# KiCad board Oblique Palette 0.5 PCB Main.kicad_pcb (continued)
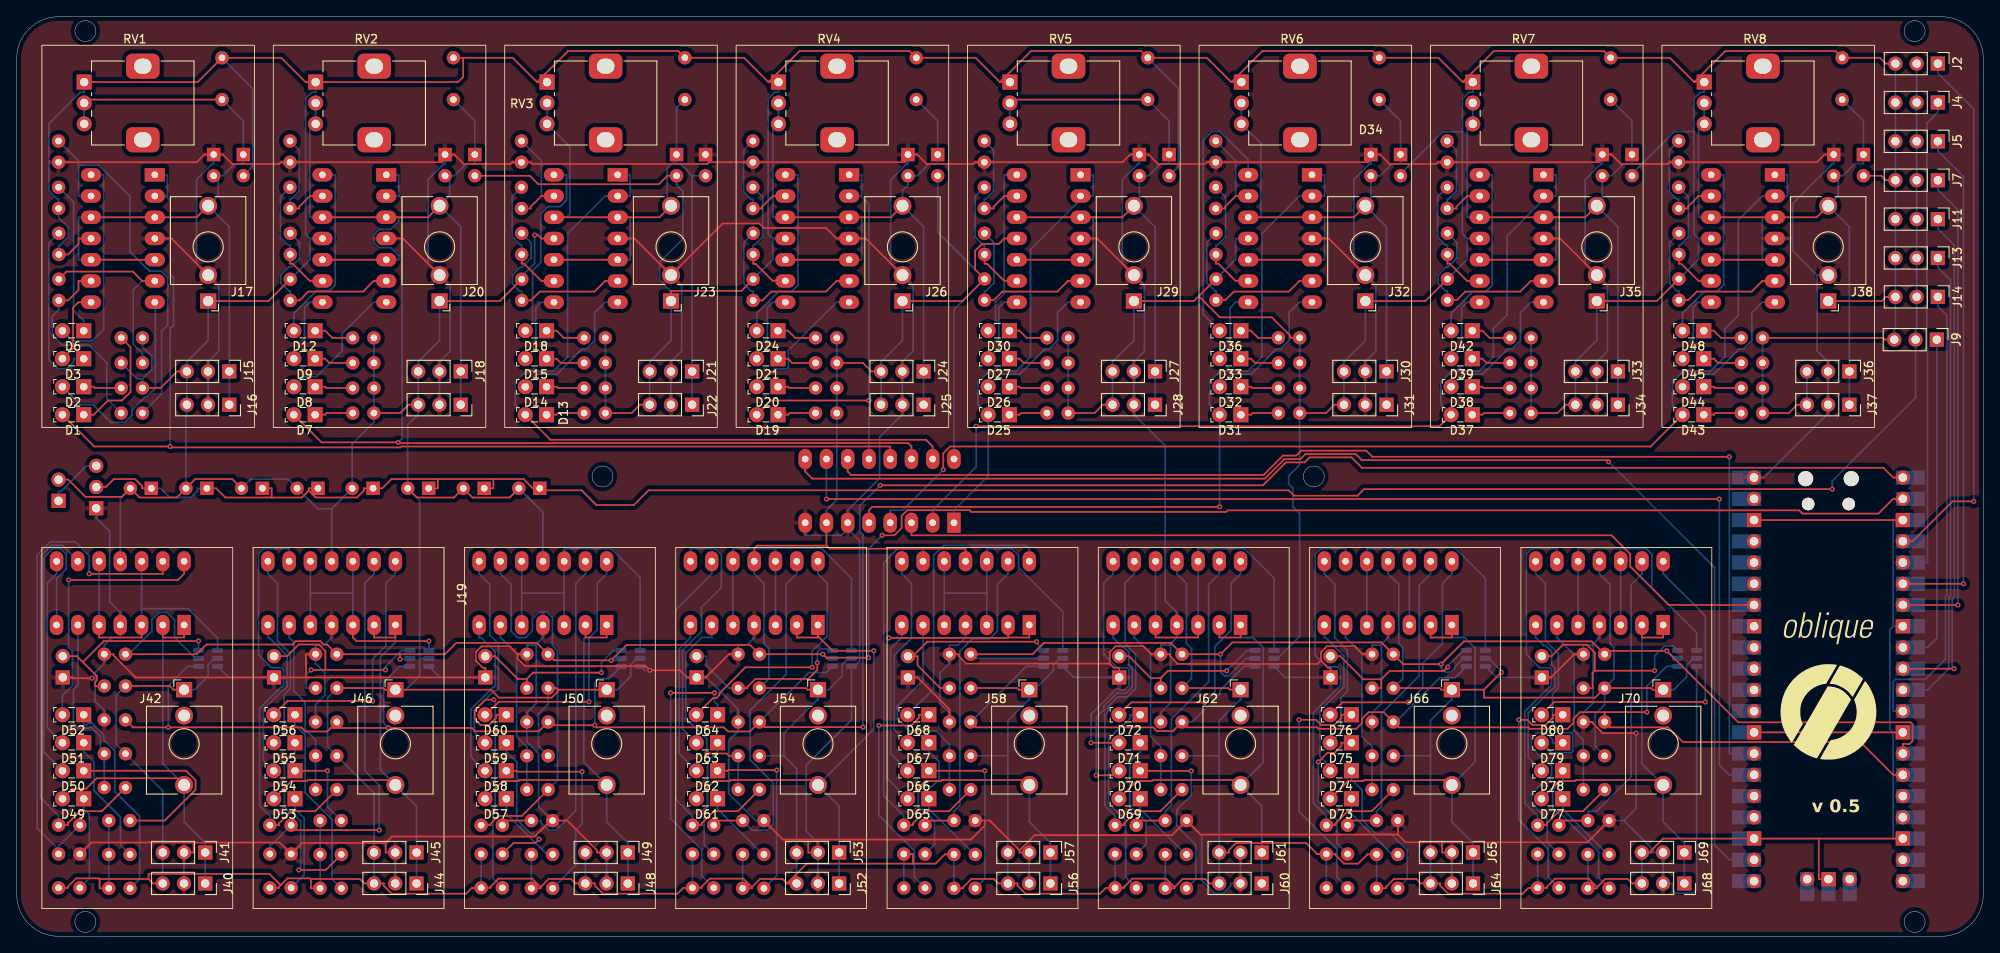
[diagram p0: board, top side]
## Routing (per net, layer and track width the routed paths; a pad name or vN(x,y) marks a point on that pad's centre or on a via; arc(x,y) is an arc through that point) (continued)
Net-(D53-A): length 54.7
  Top w0.2: U14.1 45.25,35.74 42.71,35.74 U14.2 ; J46.T 44.65,18.7 34.81,18.7 34.68,18.57 32.83,18.57 D53.2
  Bottom w0.2: J44.1 J45.1 47.77,15.58 J46.T 43.45,19.9 43.45,33.37 45.25,35.17 U14.1
Net-(D53-K): length 11.7
  Bottom w0.2: R83.1 34.33,7.33 34.33,14.17 33.25,15.25 D53.1
Net-(D54-A): length 20.2
  Bottom w0.2: D54.2 29.47,21.04 29.47,27.12 31.76,29.41 31.89,29.41 32.3,29.82 32.3,33.58 30.15,35.74 30.01,35.74 U14.7
Net-(D54-K): length 10.5
  Top w0.2: D54.1 v1(37.13,19.8)
  Bottom w0.2: v1(37.13,19.8) 37.13,15.5 R84.1
Net-(D55-A): length 23.7
  Bottom w0.2: D55.2 31.96,24.4 31.96,28.92 32.71,29.66 32.71,33.8 31.16,35.35 31.16,42.21 30.01,43.36 U14.8
Net-(D55-K): length 22.7
  Top w0.2: R85.1 36.93,7.93 v1(33.71,7.93)
  Bottom w0.2: D55.1 33.25,21.95 33.1,21.95 31.97,20.82 31.97,15.47 32.71,14.73 32.93,14.73 33.93,13.74 33.93,8.15 v1(33.71,7.93)
Net-(D56-A): length 30.3
  Top w0.2: v1(42.52,28.15) 32.36,28.15 D56.2
  Bottom w0.2: U14.14 45.25,43.36 44.12,42.23 44.12,34.75 42.52,33.15 v1(42.52,28.15)
Net-(D56-K): length 23.1
  Bottom w0.2: D56.1 33.25,25.27 34.17,24.35 34.27,24.35 34.45,24.17 34.45,17.2 37.69,13.96 37.69,6.84 R86.1
Net-(D57-A): length 54.4
  Top w0.2: U16.1 70.5,35.74 67.96,35.74 U16.2 ; D57.2 58.08,18.57 59.93,18.57 60.06,18.7 69.9,18.7 J50.T
  Bottom w0.2: U16.2 67.96,35.74 67.77,35.55 67.77,20.83 J50.T 70.5,13.7 73.03,11.17 J49.1 J48.1
Net-(D57-K): length 9.4
  Bottom w0.2: D57.1 58.5,14.65 63.36,9.79 R94.1
Net-(D58-A): length 20.3
  Bottom w0.2: D58.2 54.27,21.49 54.27,27.14 56.91,29.78 57.03,29.78 57.16,29.9 57.16,34.06 55.48,35.74 55.26,35.74 U16.7
Net-(D58-K): length 24.5
  Top w0.2: D58.1 59.7,19.8 59.82,19.68 v1(67.56,19.68)
  Bottom w0.2: R95.1 66.79,8.49 66.79,12.69 67.56,13.46 v1(67.56,19.68)
Net-(D59-A): length 24.5
  Bottom w0.2: U16.8 55.26,43.36 56.53,42.09 56.53,36.05 57.56,35.01 57.56,29.61 57.33,29.38 57.07,29.38 54.7,27 54.7,24.41 D59.2
Net-(D59-K): length 18.6
  Top w0.2: v1(62.43,11.61) 61.98,11.17 59.37,11.17 R96.1
  Bottom w0.2: v1(62.43,11.61) 61.75,12.29 61.43,12.29 59.78,13.94 59.78,20.82 58.65,21.95 58.5,21.95 D59.1
Net-(D60-A): length 30.7
  Top w0.2: v1(68.38,28.05) 57.61,28.05 56.06,26.5 D60.2
  Bottom w0.2: v1(68.38,28.05) 68.38,35.7 69.37,36.69 69.37,42.23 70.5,43.36 U16.14
Net-(D60-K): length 31.8
  Top w0.2: v1(57.01,28.3) 56,28.3 54.73,27.02 54.73,25.97 55.42,25.28 56.45,25.28 57.3,26.12 57.3,26.5 D60.1
  Bottom w0.2: R97.1 56.91,6.92 56.91,15.1 57.17,15.36 57.17,28.14 v1(57.01,28.3)
Net-(D61-A): length 60.3
  Top w0.2: D61.2 83.33,18.57 85.18,18.57 85.31,18.7 95.15,18.7 J54.T ; U18.1 95.75,35.9 ; v1(102.42,34.15) 97.49,34.15 95.75,35.9 ; U18.2 93.21,35.74 95.75,35.74 95.75,35.9
  Bottom w0.2: J52.1 J53.1 98.28,15.58 J54.T 102.42,24.77 v1(102.42,34.15)
Net-(D61-K): length 9
  Bottom w0.2: R105.1 89.17,9.79 83.75,15.21 D61.1
Net-(D62-A): length 18.8
  Bottom w0.2: U18.7 80.51,35.74 79.16,34.39 79.16,21.85 D62.2
Net-(D62-K): length 21.9
  Top w0.2: v1(90.82,19.88) 85.03,19.88 84.95,19.8 D62.1
  Bottom w0.2: R106.1 90.82,7.27 v1(90.82,19.88)
Net-(D63-A): length 30.6
  Bottom w0.2: D63.2 79.56,24.8 79.56,34.21 81.84,36.49 81.84,39.35 84.2,41.72 84.2,45.67 83.51,46.36 80.51,46.36 U18.8
Net-(D63-K): length 14.5
  Bottom w0.2: D63.1 83.75,21.95 83.6,21.95 82.55,20.9 82.55,15.55 82.15,15.15 82.15,10.98 R107.1
Net-(D64-A): length 30.2
  Top w0.2: D64.2 83.23,28.52 83.62,28.52 83.97,28.87 83.97,29.07 87.08,32.17 v1(95.05,32.17)
  Bottom w0.2: U18.14 95.75,43.36 96.85,42.26 96.85,35.92 95.05,34.11 v1(95.05,32.17)
Net-(D64-K): length 33.5
  Top w0.2: v1(83.37,29.12) v1(78.14,29.12)
  Bottom w0.2: D64.1 83.75,27.7 83.37,28.08 v1(83.37,29.12) ; R108.1 81.85,7.23 81.85,10.37 78.14,14.08 v1(78.14,29.12)
Net-(D65-A): length 68.7
  Top w0.2: D65.2 108.58,18.57 110.43,18.57 110.56,18.7 120.4,18.7 J58.T ; U20.1 121,35.74 118.46,35.74 118.46,35.74 ; U20.2 118.46,35.74 ; 118.46,35.74 118.42,35.7 v1(104.23,35.7)
  Bottom w0.2: v1(104.23,35.7) 104.03,35.5 104.03,18.88 D65.2 ; J56.1 J57.1 123.53,11.17 121,13.7 J58.T
Net-(D65-K): length 9
  Bottom w0.2: R116.1 114.46,9.79 109,15.25 D65.1
Net-(D66-A): length 18.8
  Bottom w0.2: U20.7 105.76,35.74 104.43,34.41 104.43,21.83 D66.2
Net-(D66-K): length 21.2
  Top w0.2: D66.1 v1(115.69,19.8)
  Bottom w0.2: R117.1 115.69,6.89 v1(115.69,19.8)
Net-(D67-A): length 23.7
  Bottom w0.2: U20.8 105.76,43.36 106.92,42.2 106.92,35.65 104.84,33.57 104.84,24.77 D67.2
Net-(D67-K): length 17
  Bottom w0.2: D67.1 109,21.95 109.15,21.95 110.22,20.88 110.22,18.77 109.36,17.91 108.22,17.91 107.74,17.42 107.74,15.44 108.02,15.16 108.23,15.16 109.68,13.7 109.68,10.98 R118.1
Net-(D68-A): length 34
  Bottom w0.2: U20.14 121,46.36 120.59,46.77 110.77,46.77 109.57,45.57 109.57,29.61 D68.2
Net-(D68-K): length 28.4
  Top w0.2: v1(103.03,25.22) 106.89,25.22 107.8,26.12 107.8,26.5 D68.1
  Bottom w0.2: v1(103.03,25.22) 103.03,14.47 107.26,10.24 107.26,7.07 R119.1
Net-(D69-A): length 56.3
  Top w0.2: U22.1 146.25,35.74 143.71,35.74 U22.2 ; J62.T 145.65,18.7 135.81,18.7 135.68,18.57 133.83,18.57 D69.2
  Bottom w0.2: J60.1 J61.1 148.78,15.58 J62.T 148.94,20.79 148.94,34.55 147.75,35.74 146.25,35.74 U22.1
Net-(D69-K): length 9
  Bottom w0.2: R127.1 139.69,9.79 134.25,15.23 D69.1
Net-(D70-A): length 24.7
  Top w0.2: v1(129,19.26) 131.17,19.26 D70.2
  Bottom w0.2: v1(129,19.26) 129,26.2 129.78,26.98 129.93,26.98 130,27.06 130,27.14 129.9,27.24 129.9,27.52 131.54,29.16 131.54,29.16 131.66,29.05 132.56,29.05 133.3,29.79 133.3,32.11 132.9,32.51 132.9,33.98 132.23,34.66 132.09,34.66 131.01,35.74 U22.7
Net-(D70-K): length 22.2
  Top w0.2: v1(140.35,19.77) 135.48,19.77 135.45,19.8 D70.1
  Bottom w0.2: v1(140.35,19.77) 140.35,16.84 138.65,15.14 138.65,13.18 140.89,10.94 140.89,6.84 R128.1
Net-(D71-A): length 30.1
  Top w0.2: D71.2 v1(128.38,23.15)
  Bottom w0.2: v1(128.38,23.15) 128.38,26.57 131.4,29.59 131.68,29.59 131.83,29.45 132.39,29.45 132.9,29.96 132.9,31.94 132.72,32.12 131.51,32.12 129.88,33.74 129.88,42.23 131.01,43.36 U22.8
Net-(D71-K): length 15.3
  Bottom w0.2: D71.1 134.25,21.95 134.1,21.95 133,20.85 133,15.46 133.28,15.19 133.45,15.19 134.96,13.67 134.96,11.01 R129.1
Net-(D72-A): length 29.5
  Top w0.2: v1(141.96,27.98) 133.19,27.98 D72.2
  Bottom w0.2: U22.14 146.25,43.36 145.12,42.23 145.12,36.61 143.19,34.68 143.19,29.21 v1(141.96,27.98)
Net-(D72-K): length 24.4
  Bottom w0.2: D72.1 133.05,26.5 133.05,26.08 132.27,25.3 132.16,25.3 130.48,23.62 130.48,15.93 132.52,13.89 132.52,7.06 R130.1
Net-(D73-A): length 56.4
  Top w0.2: J66.T 170.9,18.7 161.06,18.7 160.93,18.57 159.08,18.57 D73.2 ; U24.1 171.5,35.74 168.96,35.74 U24.2
  Bottom w0.2: U24.1 171.5,35.74 173.02,35.74 174.26,34.5 174.26,20.86 J66.T 171.5,13.7 174.03,11.17 J65.1 J64.1
Net-(D73-K): length 9.4
  Bottom w0.2: R138.1 164.33,9.79 159.5,14.62 D73.1
Net-(D74-A): length 20.2
  Bottom w0.2: U24.7 156.26,35.74 156.41,35.74 158.61,33.54 158.61,29.85 155.74,26.98 155.74,21.52 156.96,20.3 D74.2
Net-(D74-K): length 18.4
  Bottom w0.2: D74.1 159.5,18.6 159.65,18.6 160.78,17.47 160.78,13.91 162.42,12.27 164.19,12.27 166.17,10.29 166.17,6.87 R139.1
Net-(D75-A): length 23.7
  Bottom w0.2: D75.2 158.23,24.42 158.23,28.51 159.01,29.29 159.01,34.21 157.53,35.69 157.53,42.09 156.26,43.36 U24.8
Net-(D75-K): length 17.6
  Top w0.2: v1(155.55,20.86) 156.64,21.95 157.47,21.95 158.3,22.77 158.3,23.15 D75.1
  Bottom w0.2: v1(155.55,20.86) 155.55,16.14 157.77,13.92 157.77,11.11 R140.1
Net-(D76-A): length 29
  Top w0.2: D76.2 158.44,27.98 v1(166.28,27.98)
  Bottom w0.2: U24.14 171.5,43.36 170.37,42.23 170.37,35 168.04,32.66 168.04,29.74 v1(166.28,27.98)
Net-(D76-K): length 29.8
  Top w0.2: v1(153.23,25.9) 155.25,25.9 155.86,25.29 157.47,25.29 158.3,26.11 158.3,26.5 D76.1
  Bottom w0.2: R141.1 157.77,7.06 157.77,10.39 153.23,14.93 v1(153.23,25.9)
Net-(D77-A): length 54.3
  Top w0.2: D77.2 184.33,18.57 186.18,18.57 186.31,18.7 196.15,18.7 J70.T ; U26.2 194.21,35.74 196.75,35.74 U26.1
  Bottom w0.2: J68.1 J69.1 199.28,11.17 196.75,13.7 J70.T 194.21,20.64 U26.2
Net-(D77-K): length 9
  Bottom w0.2: D77.1 184.75,15.19 190.15,9.79 R149.1
Net-(D78-A): length 20.6
  Bottom w0.2: U26.7 181.51,35.74 182.45,34.8 182.67,34.8 183.42,34.05 183.42,32.49 183.8,32.11 183.8,29.82 183.39,29.41 183.32,29.41 180.61,26.7 180.61,21.4 D78.2
Net-(D78-K): length 17.6
  Bottom w0.2: D78.1 184.75,18.6 184.6,18.6 183.55,17.55 183.55,15.38 184.42,14.5 184.64,14.5 189.04,10.1 189.04,6.99 R150.1
Net-(D79-A): length 30.1
  Bottom w0.2: D79.2 183.41,21.95 185.78,21.95 185.95,22.12 185.95,24.17 185.78,24.35 184.67,24.35 183.53,25.49 183.53,28.98 184.23,29.68 184.23,33.81 182.67,35.36 182.67,42.19 181.51,43.36 U26.8
Net-(D79-K): length 22.1
  Bottom w0.2: R151.1 182.88,11.25 182.88,14.06 181,15.94 181,17.01 182.49,18.5 182.65,18.5 183.41,19.26 183.41,20.37 182.3,21.47 182.14,21.47 181.01,22.61 181.01,23.65 181.72,24.36 182.71,24.36 183.55,23.53 183.55,23.15 D79.1
Net-(D80-A): length 39.1
  Top w0.2: D80.2 183.74,28.03 v1(201.78,28.03)
  Bottom w0.2: v1(201.78,28.03) 201.78,38.33 196.75,43.36 U26.14
Net-(D80-K): length 28.3
  Top w0.2: v1(179.5,25.9) 180.5,25.9 181.11,25.29 182.71,25.29 183.55,26.12 183.55,26.5 D80.1
  Bottom w0.2: R152.1 183.02,7.06 183.02,10.39 179.5,13.91 v1(179.5,25.9)
Net-(J39-Pin_2): length 23.4
  Top w0.2: R66.2 9.36,29.94 9.36,30.4 9.58,30.62 9.58,31.12 7.9,32.8 ; 5.5,33.5 7.19,33.5 7.9,32.8 ; 7.9,32.8 10.42,35.32 v1(21.73,35.32)
  Bottom w0.2: U11.6 v1(21.73,35.32)
Net-(J43-Pin_2): length 25.8
  Top w0.2: 30.75,33.5 32.3,33.5 33.69,34.9 36.12,34.9 36.88,34.13 36.88,31.86 ; 36.88,31.86 v1(44.06,31.86) ; 36.88,31.86 v1(35.17,31.86)
  Bottom w0.2: 46.98,34.19 46,34.19 44.06,32.25 v1(44.06,31.86) ; v1(35.17,31.86) 34.61,31.3 34.61,29.69 R77.2
Net-(J47-Pin_2): length 20.6
  Top w0.2: 60.96,30.79 59.86,30.79 57.15,33.5 56,33.5 ; 60.96,30.79 61.71,31.54 v1(69.87,31.54) ; 60.96,30.79 R88.2
  Bottom w0.2: v1(69.87,31.54) 69.87,32.72 71.33,34.19 U15.6
Net-(J51-Pin_2): length 21.8
  Top w0.2: v1(95.67,32.72) 95.67,31.87 94.59,30.79 88.28,30.79 87.31,29.83 87.31,29.69 R99.2
  Bottom w0.2: 81.25,33.5 82.4,33.5 82.4,32.4 85.11,29.69 R99.2 ; v1(95.67,32.72) 95.67,33.96 96.08,34.38 97.29,34.38 U17.6
Net-(J55-Pin_2): length 24.1
  Top w0.2: R110.2 110.36,29.69 107.65,32.4 107.65,33.5 107.08,33.5 ; 107.08,33.5 106.5,33.5 ; 107.08,33.5 108.81,35.24 v1(121.88,35.24)
  Bottom w0.2: 122.72,34.19 121.88,35.04 v1(121.88,35.24)
Net-(J59-Pin_2): length 19.9
  Top w0.2: 136.71,30.9 135.51,30.9 132.9,33.5 131.75,33.5 ; 136.71,30.9 R121.2 ; 136.71,30.9 137.57,31.75 v1(144.59,31.75)
  Bottom w0.2: v1(144.59,31.75) 147.03,34.19 U21.6
Net-(J63-Pin_2): length 21
  Top w0.2: 163.06,30.74 164.06,31.75 170.54,31.75 v1(171,32.21) ; 163.06,30.74 163.06,29.69 R132.2 ; 163.06,30.74 160.91,30.74 158.15,33.5 157,33.5
  Bottom w0.2: v1(171,32.21) 171,32.34 172.85,34.19 173.22,34.19
Net-(J67-Pin_2): length 25.2
  Top w0.2: 188.58,31.77 188.31,31.5 188.31,29.69 R143.2 ; 188.58,31.77 188.58,33.93 187.63,34.88 184.77,34.88 183.4,33.5 182.25,33.5 ; 188.58,31.77 v1(195.73,31.77)
  Bottom w0.2: v1(195.73,31.77) 195.73,33.56 196.93,34.75 197.91,34.75 U25.6
Net-(J71-Pin_3): length 6.9
  Bottom w0.2: J71.3 8.35,56.28 5.31,53.24 5,53.24 J72.1
Net-(U3B--): length 24.5
  Top w0.2: U3.6 15,78.39 13.88,79.51 5.94,79.51 R4.1
  Bottom w0.2: R2.2 15.03,69.69 13.92,70.8 13.92,77.31 15,78.39 U3.6
Net-(U3C--): length 24.5
  Top w0.2: U3.9 7.38,78.39 7.38,77.31 6.13,76.06 R4.2
  Bottom w0.2: R6.1 10.76,64.31 10.76,68.59 8.64,70.71 5.43,70.71 4.24,71.91 4.24,74.16 5.03,74.96 R4.2
Net-(U3D--): length 46.6
  Bottom w0.2: R8.1 7.38,92.76 7.38,92.23 ; 7.38,92.23 7.38,88.55 U3.13 ; 7.38,92.23 9.81,92.23 13.52,88.52 13.52,81.9 15.85,79.57 17.27,79.57 18.03,78.82 18.03,73.11 17.31,72.38 17.31,64.87 R6.2
Net-(U4B--): length 22.6
  Top w0.2: R10.2 33.79,76.06 34.85,77.12 41.39,77.12 42.66,78.39 U4.6
  Bottom w0.2: R12.1 33.8,82.98 33.8,81.07 32.81,80.08 32.53,80.08 31.56,79.11 31.56,78.15 32.55,77.16 32.69,77.16 R10.2
Net-(U4C--): length 14.9
  Top w0.2: U4.9 35.04,78.39 32.97,80.46 32.69,80.46 R12.2
  Bottom w0.2: R12.2 32.69,82.66 32.46,82.66 31.51,83.61 31.51,88.45 R14.1
Net-(U4D--): length 13.7
  Top w0.2: R14.2 33.76,87.06 33.76,87.27 35.04,88.55 U4.13
  Bottom w0.2: R14.2 32.66,88.16 32.79,88.16 33.76,89.13 33.76,94.03 R16.1
Net-(U5B--): length 22.6
  Top w0.2: U5.6 70.31,78.39 69.04,77.12 62.5,77.12 61.44,76.06 R18.2
  Bottom w0.2: R18.2 60.34,77.16 60.11,77.16 59.23,78.04 59.23,79.09 60.23,80.08 60.42,80.08 61.46,81.12 61.46,82.98 R20.1
Net-(U5C--): length 14.9
  Top w0.2: R20.2 60.34,80.46 60.62,80.46 62.69,78.39 U5.9
  Bottom w0.2: R20.2 60.34,82.66 60.21,82.66 59.21,83.66 59.21,88.5 R22.1
Net-(U5D--): length 13.7
  Top w0.2: U5.13 62.69,88.55 61.42,87.27 61.42,87.06 R22.2
  Bottom w0.2: R24.1 62.69,92.76 62.69,88.55 U5.13
Net-(U6B--): length 21.5
  Top w0.2: R26.2 89.1,76.06 90.16,77.12 96.7,77.12 97.97,78.39 U6.6
  Bottom w0.2: R26.2 88,77.16 87.77,77.16 86.89,78.04 86.89,82.99 R28.1
Net-(U6C--): length 14.9
  Top w0.2: U6.9 90.35,78.39 88.28,80.46 88,80.46 R28.2
  Bottom w0.2: R28.2 88,82.66 88.14,82.66 89.15,83.67 89.15,88.42 R30.1
Net-(U6D--): length 13.8
  Top w0.2: R30.2 89.07,87.06 89.07,87.27 90.35,88.55 U6.13
  Bottom w0.2: R30.2 87.97,88.16 87.74,88.16 86.86,89.04 86.86,94.02 R32.1
Net-(U7B--): length 21.4
  Top w0.2: R34.2 116.76,76.09 117.79,77.12 124.36,77.12 125.63,78.39 U7.6
  Bottom w0.2: R36.1 116.78,82.98 116.78,78.18 115.79,77.19 115.66,77.19 R34.2
Net-(U7C--): length 14.9
  Top w0.2: U7.9 118.01,78.39 115.94,80.46 115.66,80.46 R36.2
  Bottom w0.2: R38.1 114.52,88.5 114.52,83.66 115.52,82.66 115.66,82.66 R36.2
Net-(U7D--): length 13.7
  Top w0.2: U7.13 118.01,88.55 116.73,87.27 116.73,87.06 R38.2
  Bottom w0.2: R40.1 116.73,94.03 116.73,89.13 115.77,88.16 115.63,88.16 R38.2
Net-(U8B--): length 21.4
  Top w0.2: U8.6 153.28,78.39 152.01,77.12 145.45,77.12 144.42,76.09 R42.2
  Bottom w0.2: R44.1 142.21,82.99 142.21,78.16 143.18,77.19 143.31,77.19 R42.2
Net-(U8C--): length 14.9
  Top w0.2: R44.2 143.31,80.46 143.59,80.46 145.66,78.39 U8.9
  Bottom w0.2: R46.1 144.46,88.42 144.46,83.67 143.45,82.66 143.31,82.66 R44.2
Net-(U8D--): length 13.7
  Top w0.2: U8.13 145.66,88.55 144.39,87.27 144.39,87.06 R46.2
  Bottom w0.2: R48.1 145.66,92.76 145.66,88.55 U8.13
Net-(U9B--): length 22.5
  Top w0.2: R50.2 172.07,76.09 173.1,77.12 179.67,77.12 180.94,78.39 U9.6
  Bottom w0.2: R50.2 170.97,77.19 170.74,77.19 169.86,78.07 169.86,79.1 170.86,80.09 171.06,80.09 172.1,81.13 172.1,82.97 R52.1
Net-(U9C--): length 14.9
  Top w0.2: R52.2 170.97,80.46 171.25,80.46 173.32,78.39 U9.9
  Bottom w0.2: R52.2 170.97,82.66 170.74,82.66 169.8,83.61 169.8,88.45 R54.1
Net-(U9D--): length 13.7
  Top w0.2: R54.2 172.04,87.06 172.04,87.27 173.32,88.55 U9.13
  Bottom w0.2: R54.2 170.94,88.16 171.08,88.16 172.05,89.13 172.05,94.03 R56.1
Net-(U10B--): length 21.5
  Top w0.2: U10.6 208.6,78.39 207.33,77.12 200.76,77.12 199.73,76.09 R58.2
  Bottom w0.2: R58.2 198.63,77.19 198.4,77.19 197.52,78.07 197.52,82.99 R60.1
Net-(U10C--): length 14.9
  Top w0.2: R60.2 198.63,80.46 198.91,80.46 200.98,78.39 202.48,78.39
  Bottom w0.2: R62.1 199.77,88.42 199.77,83.67 198.77,82.66 198.63,82.66 R60.2
Net-(U10D--): length 13.8
  Top w0.2: 202.48,88.55 200.98,88.55 199.7,87.27 199.7,87.06 R62.2
  Bottom w0.2: R62.2 198.6,88.16 198.37,88.16 197.49,89.04 197.49,94.02 R64.1
Net-(U11-VOUT): length 35.3
  Top w0.2: U12.3 14.92,35.74 9.84,35.74 U12.5
  Bottom w0.2: U12.10 U12.5 ; U11.1 24,35.67 20.48,39.19 14.92,39.19 ; U12.12 14.92,39.19 ; 14.92,39.19 U12.3
Net-(U12B--): length 22.3
  Bottom w0.2: U12.6 7.3,30.02 6.78,29.5 6.78,25.43 7.31,24.9 8.6,24.9 8.76,25.06 8.85,25.06 10,23.9 10,22.3 R68.2 R69.2
Net-(U12C--): length 48.9
  Top w0.2: R70.2 6.1,13.29 6.1,13.52 7.55,14.96 10.17,14.96 R69.1
  Bottom w0.2: R70.2 5,14.39 2.85,16.54 2.85,45.48 4.13,46.77 5.46,46.77 7.3,44.93 U12.9
Net-(U12D--): length 60.9
  Top w0.2: U12.13 17.46,43.36 v1(8.66,43.36)
  Bottom w0.2: 5,10.39 5,10.94 5.19,10.94 R70.1 ; 5,10.39 2.45,12.95 2.45,45.65 3.97,47.17 7.01,47.17 8.66,45.52 v1(8.66,43.36) ; 5,10.39 R71.2
Net-(U13-VOUT): length 32.2
  Top w0.2: U14.3 40.17,35.74 40.59,35.31 v1(49.25,35.31)
  Bottom w0.2: U13.1 v1(49.25,35.31) ; U14.10 35.09,41.05 ; 35.09,41.05 U14.5 ; 35.09,41.05 40.17,41.05 ; 40.17,41.05 U14.3 ; 40.17,41.05 U14.12
Net-(U14B--): length 21
  Bottom w0.2: R80.2 R79.2 35.71,23.48 34.47,24.72 34.47,28 33.11,29.37 33.11,35.18 32.55,35.74 U14.6
Net-(U14C--): length 51.6
  Top w0.2: R81.2 31.35,13.29 31.35,13.52 32.8,14.96 35.67,14.96 R80.1
  Bottom w0.2: U14.9 32.55,46.36 29.49,46.36 28.9,45.78 28.9,33.65 30.43,32.12 31.73,32.12 31.9,31.94 31.9,29.99 31.73,29.81 31.58,29.81 29.02,27.26 29.02,15.62 30.25,14.39 R81.2
Net-(U14D--): length 48.7
  Top w0.2: v1(43.31,12.7) 33.38,12.7 R81.1
  Bottom w0.2: v1(43.31,12.7) 43.31,18.09 41.6,19.8 41.6,42.25 42.71,43.36 U14.13 ; R81.1 30.44,10.94 30.25,10.94 R82.2
Net-(U15-VOUT): length 41
  Bottom w0.2: 65.42,41.05 U16.12 65.42,46.36 71.04,46.36 74.5,42.9 U15.1 ; 65.42,41.05 60.34,41.05 ; 65.42,41.05 U16.3 ; 60.34,41.05 U16.5 ; 60.34,41.05 U16.10
Net-(U16B--): length 21
  Bottom w0.2: R91.2 R90.2 60.96,22.69 59.74,23.91 59.74,33.79 57.8,35.74 U16.6
Net-(U16C--): length 47.7
  Top w0.2: R91.1 60.35,14.39 57.57,14.39 56.6,13.43 56.6,13.29 R92.2
  Bottom w0.2: R91.1 64.62,18.66 64.62,34.17 64.01,34.79 64.01,38.15 63.37,38.79 62.43,38.79 61.61,37.97 61.61,36.53 60.81,35.74 59.84,35.74 59.07,36.51 59.07,42.09 57.8,43.36 U16.9
Net-(U16D--): length 40.9
  Top w0.2: R93.2 58.59,13.84 R92.1
  Bottom w0.2: U16.13 67.96,43.36 66.8,42.2 66.8,15.04 64.45,12.69 63.52,12.69 62.6,13.61 62.6,13.84 R93.2
Net-(U17-VOUT): length 42.6
  Bottom w0.2: 90.67,46.36 90.74,46.44 96.14,46.44 99.75,42.82 U17.1 ; 90.67,46.36 90.67,46.36 85.59,46.36 U18.10 U18.5 ; 90.67,46.36 U18.12 U18.3
Net-(U18B--): length 26.3
  Top w0.2: v1(82.48,21.86) 84.83,21.86 85.11,21.59 R101.2
  Bottom w0.2: R102.2 R101.2 ; U18.6 83.05,35.74 81.85,35.74 79.96,33.85 79.96,26.02 80.68,25.3 80.78,25.3 82.48,23.59 v1(82.48,21.86)
Net-(U18C--): length 44.1
  Top w0.2: R102.1 86.17,14.96 83.3,14.96 81.85,13.52 81.85,13.29 R103.2
  Bottom w0.2: U18.9 83.05,43.36 78.76,39.06 78.76,16.39 80.75,14.39 R103.2
Net-(U18D--): length 43
  Top w0.2: R103.1 83.84,13.84 R104.2
  Bottom w0.2: R104.2 87.89,12.7 89.71,12.7 90.4,13.39 90.4,18.34 87.64,21.11 87.64,27.02 91.94,31.32 91.94,42.09 93.21,43.36 U18.13
Net-(U19-VOUT): length 39.5
  Bottom w0.2: 115.92,41.05 U20.3 ; 115.92,41.05 110.84,41.05 ; 115.92,41.05 U20.12 115.92,46.36 118.92,46.36 119.73,45.55 119.73,44.12 125,38.85 U19.1 ; 110.84,41.05 U20.5 ; 110.84,41.05 U20.10
Net-(U20B--): length 25.4
  Bottom w0.2: U20.6 108.3,30.61 105.24,27.55 105.24,26 106.7,24.54 109.88,24.54 111.46,22.96 R112.2 R113.2
Net-(U20C--): length 49.2
  Top w0.2: R114.2 107.1,13.29 107.1,13.52 108.55,14.96 111.42,14.96 R113.1
  Bottom w0.2: R114.2 106,14.39 103.63,16.76 103.63,44.73 105.26,46.36 108.3,46.36 U20.9
Net-(U20D--): length 38.6
  Top w0.2: R115.2 109.09,13.84 R114.1
  Bottom w0.2: R115.2 112,14.94 112.7,15.64 112.7,34.1 114.18,35.59 116.28,35.59 117.19,36.5 117.19,42.09 118.46,43.36 U20.13
Net-(U21-VOUT): length 44
  Top w0.2: U22.3 141.17,35.74 136.09,35.74 U22.5
  Bottom w0.2: U22.10 U22.5 ; U22.3 U22.12 141.17,46.36 146.72,46.36 150.25,42.83 U21.1
Net-(U22B--): length 21
  Bottom w0.2: R124.2 R123.2 136.71,22.69 135.49,23.91 135.49,33.79 133.55,35.74 U22.6
Net-(U22C--): length 45.2
  Top w0.2: R125.2 132.35,13.29 132.35,13.52 133.79,14.96 136.67,14.96 R124.1
  Bottom w0.2: R125.2 131.25,14.39 130.04,15.6 130.04,26.53 130.45,26.93 130.45,27.27 130.37,27.34 130.37,27.42 131.59,28.65 132.72,28.65 133.71,29.63 133.71,33.75 132.44,35.01 132.44,42.25 133.55,43.36 U22.9
Net-(U22D--): length 37.4
  Top w0.2: R125.1 134.34,13.84 R126.2
  Bottom w0.2: U22.13 143.71,43.36 142.44,42.09 142.44,30.44 137.98,25.98 137.98,15.67 137.25,14.94 R126.2
Net-(U23-VOUT): length 42.6
  Bottom w0.2: 166.42,46.36 U24.12 U24.3 ; 166.42,46.36 166.51,46.45 171.89,46.45 175.5,42.83 U23.1 ; 166.42,46.36 166.42,46.36 161.34,46.36 U24.10 U24.5
Net-(U24B--): length 21
  Bottom w0.2: U24.6 158.8,35.74 160.74,33.79 160.74,23.91 161.96,22.69 R134.2 R135.2
Net-(U24C--): length 51.8
  Top w0.2: R136.2 157.6,13.29 157.6,13.52 159.04,14.96 161.92,14.96 R135.1
  Bottom w0.2: U24.9 158.8,46.36 155.8,46.36 155.15,45.71 155.15,33.64 156.56,32.23 157.88,32.23 158.2,31.92 158.2,30.01 154.95,26.76 154.95,15.94 156.5,14.39 R136.2
Net-(U24D--): length 37.4
  Top w0.2: R137.2 159.59,13.84 R136.1
  Bottom w0.2: R137.2 162.5,14.94 163.09,15.53 163.09,26.64 167.59,31.15 167.59,41.99 168.96,43.36 U24.13
Net-(U25-VOUT): length 41.1
  Bottom w0.2: U26.3 U26.12 191.67,46.36 ; U25.1 200.75,36.32 195.39,41.67 195.39,45.7 194.73,46.36 191.67,46.36 ; 191.67,46.36 186.59,46.36 U26.10 U26.5
Net-(U26B--): length 21
  Bottom w0.2: R146.2 R145.2 187.21,23.48 186.11,24.59 186.11,33.68 184.05,35.74 U26.6
Net-(U26C--): length 51.7
  Top w0.2: R147.2 182.85,13.29 182.85,13.52 184.29,14.96 187.17,14.96 R146.1
  Bottom w0.2: R147.2 181.75,14.39 180.2,15.94 180.2,26.87 183.14,29.81 183.22,29.81 183.4,29.99 183.4,31.94 183.22,32.12 182.01,32.12 180.4,33.72 180.4,45.72 181.05,46.36 184.05,46.36 U26.9
Net-(U26D--): length 38
  Top w0.2: R147.1 184.84,13.84 R148.2
  Bottom w0.2: R148.2 187.75,14.94 188.77,14.94 192.91,19.08 192.91,42.05 194.21,43.36 U26.13

## Copper pours and planes (outline as drawn; the poured copper is in the pictures)
GNDREF on Bottom: 239,-0.91 240.5,111.09 -3,111.09 -2.5,-2.91
VCC on Top: 241.5,-1.41 240.5,111.09 -2.5,111.09 -2.5,-2.91 241.5,-0.91

## Text on the board
B.Silkscreen: DAC addr Select / Open A0=GND / Closed A0=+ | i2C Bus 0 | i2C Bus 1
F.Silkscreen: v 0.5
